# KiCad board rabbit_mask_capacitors_right.kicad_pcb (continued)
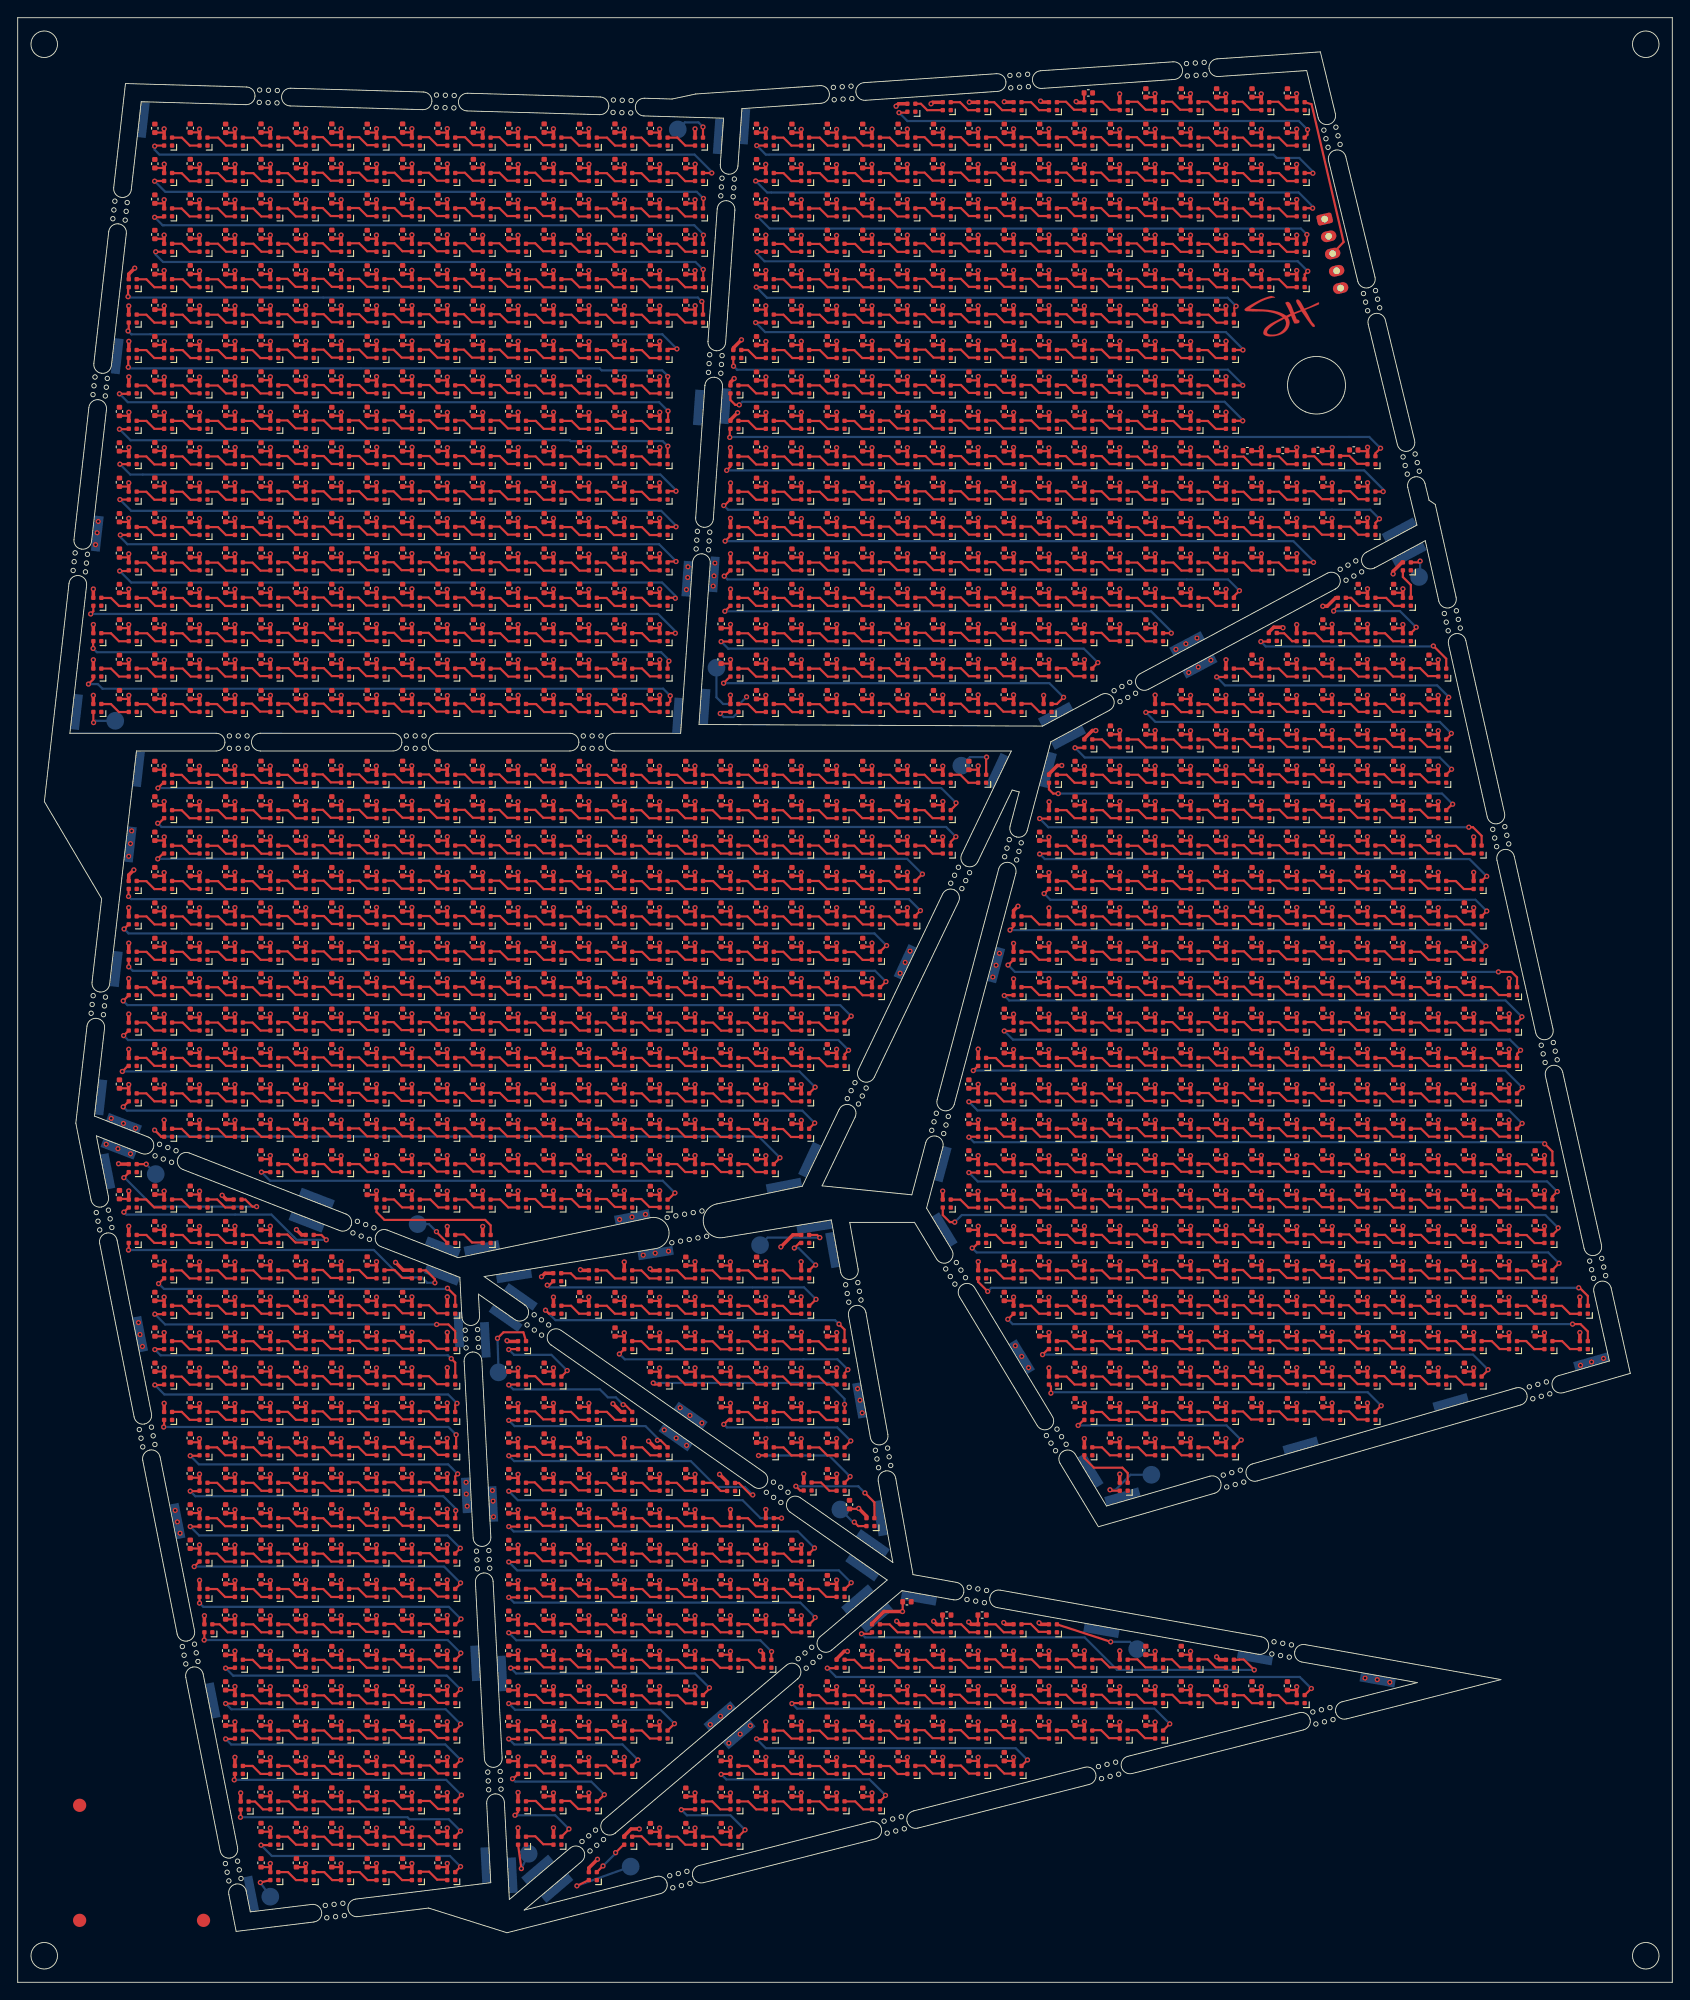
[diagram p0: board, top side]
## Routing (per net, layer and track width the routed paths; a pad name or vN(x,y) marks a point on that pad's centre or on a via; arc(x,y) is an arc through that point) (continued)
Net-(D2476-DIN): length 3.5
  Top w0.25: 29.44,92.46 30.54,92.46 31.44,91.56 32.54,91.56
Net-(D2476-DOUT): length 49.8
  Top w0.25: D2520.1 73.52,88.45 v1(74.27,89.2) ; v1(27.55,91.55) D2476.3
  Bottom w0.25: v1(27.55,91.55) 28.53,90.57 72.9,90.57 v1(74.27,89.2)
Net-(D2477-DIN): length 3.5
  Top w0.25: 33.54,92.46 34.64,92.46 35.54,91.56 36.64,91.56
Net-(D2478-DIN): length 3.5
  Top w0.25: 40.64,91.56 39.54,91.56 38.64,92.46 37.54,92.46
Net-(D2479-DIN): length 3.5
  Top w0.25: 41.44,92.46 42.54,92.46 43.44,91.56 44.54,91.56
Net-(D2480-DIN): length 3.5
  Top w0.25: 48.49,91.61 47.39,91.61 46.49,92.51 45.39,92.51
Net-(D2481-DIN): length 3.5
  Top w0.25: 52.59,91.61 51.49,91.61 50.59,92.51 49.49,92.51
Net-(D2482-DIN): length 3.5
  Top w0.25: 53.49,92.51 54.59,92.51 55.49,91.61 56.59,91.61
Net-(D2483-DIN): length 3.5
  Top w0.25: 60.49,91.61 59.39,91.61 58.49,92.51 57.39,92.51
Net-(D2484-DIN): length 3.5
  Top w0.25: 61.44,92.51 62.54,92.51 63.44,91.61 64.54,91.61
Net-(D2485-DIN): length 3.5
  Top w0.25: 65.34,92.51 66.44,92.51 67.34,91.61 68.44,91.61
Net-(D2486-DIN): length 3.5
  Top w0.25: 72.49,91.61 71.39,91.61 70.49,92.51 69.39,92.51
Net-(D2487-DIN): length 3.5
  Top w0.25: 76.54,91.56 75.44,91.56 74.54,92.46 73.44,92.46
Net-(D2488-DIN): length 3.5
  Top w0.25: 77.49,92.46 78.59,92.46 79.49,91.56 80.59,91.56
Net-(D2489-DIN): length 3.5
  Top w0.25: 84.49,91.56 83.39,91.56 82.49,92.46 81.39,92.46
Net-(D2491-DIN): length 3.5
  Top w0.25: 112.54,91.54 111.44,91.54 110.54,92.44 109.44,92.44
Net-(D2491-DOUT): length 69.6
  Top w0.25: D2491.3 108.5,91.5 v1(107.5,91.5) ; v1(174,89.35) 173.45,88.8 D2538.1
  Bottom w0.25: v1(174,89.35) 172.85,90.5 108.5,90.5 v1(107.5,91.5)
Net-(D2492-DIN): length 3.5
  Top w0.25: 113.54,92.44 114.64,92.44 115.54,91.54 116.64,91.54
Net-(D2493-DIN): length 3.5
  Top w0.25: 117.54,92.44 118.64,92.44 119.54,91.54 120.64,91.54
Net-(D2494-DIN): length 3.5
  Top w0.25: 124.54,91.54 123.44,91.54 122.54,92.44 121.44,92.44
Net-(D2495-DIN): length 3.5
  Top w0.25: 128.49,91.59 127.39,91.59 126.49,92.49 125.39,92.49
Net-(D2496-DIN): length 3.5
  Top w0.25: 129.49,92.49 130.59,92.49 131.49,91.59 132.59,91.59
Net-(D2497-DIN): length 3.5
  Top w0.25: 133.49,92.49 134.59,92.49 135.49,91.59 136.59,91.59
Net-(D2498-DIN): length 3.5
  Top w0.25: 137.39,92.49 138.49,92.49 139.39,91.59 140.49,91.59
Net-(D2499-DIN): length 3.5
  Top w0.25: 144.54,91.59 143.44,91.59 142.54,92.49 141.44,92.49
Net-(D2500-DIN): length 3.5
  Top w0.25: 148.44,91.59 147.34,91.59 146.44,92.49 145.34,92.49
Net-(D2501-DIN): length 3.5
  Top w0.25: 149.39,92.49 150.49,92.49 151.39,91.59 152.49,91.59
Net-(D2502-DIN): length 3.5
  Top w0.25: 153.44,92.44 154.54,92.44 155.44,91.54 156.54,91.54
Net-(D2503-DIN): length 3.5
  Top w0.25: 160.59,91.54 159.49,91.54 158.59,92.44 157.49,92.44
Net-(D2504-DIN): length 3.5
  Top w0.25: 161.39,92.44 162.49,92.44 163.39,91.54 164.49,91.54
Net-(D2505-DIN): length 3.5
  Top w0.25: 165.44,92.44 166.54,92.44 167.44,91.54 168.54,91.54
Net-(D2506-DIN): length 3.5
  Top w0.25: 172.54,91.55 171.44,91.55 170.54,92.45 169.44,92.45
Net-(D2508-DIN): length 3.5
  Top w0.25: 16.53,87.56 15.43,87.56 14.53,88.46 13.43,88.46
Net-(D2508-DOUT): length 26.6
  Top w0.25: v1(12,87.03) 12.53,87.55 D2508.3 ; D2544.1 34.32,84.45 v1(34.88,83.9)
  Bottom w0.25: v1(12,87.03) 12.28,86.75 28.68,86.75 31.53,83.9 v1(34.88,83.9)
Net-(D2509-DIN): length 3.5
  Top w0.25: 17.42,88.47 18.52,88.47 19.42,87.57 20.52,87.57
Net-(D2510-DIN): length 3.3
  Top w0.25: D2511.3 23.46,87.55 22.55,88.46 21.45,88.46
Net-(D2512-DIN): length 3.5
  Top w0.25: 44.54,87.56 43.44,87.56 42.54,88.46 41.44,88.46
Net-(D2512-DOUT): length 15.1
  Top w0.25: D2546.1 53.45,85.54 52.84,86.15 41.45,86.15 40.55,87.05 D2512.3
Net-(D2513-DIN): length 3.5
  Top w0.25: 48.64,87.56 47.54,87.56 46.64,88.46 45.54,88.46
Net-(D2514-DIN): length 3.5
  Top w0.25: 52.64,87.56 51.54,87.56 50.64,88.46 49.54,88.46
Net-(D2515-DIN): length 3.5
  Top w0.25: 56.54,87.56 55.44,87.56 54.54,88.46 53.44,88.46
Net-(D2516-DIN): length 3.5
  Top w0.25: 57.39,88.51 58.49,88.51 59.39,87.61 60.49,87.61
Net-(D2517-DIN): length 3.5
  Top w0.25: 61.49,88.51 62.59,88.51 63.49,87.61 64.59,87.61
Net-(D2518-DIN): length 3.5
  Top w0.25: 68.59,87.61 67.49,87.61 66.59,88.51 65.49,88.51
Net-(D2519-DIN): length 3.5
  Top w0.25: 69.39,88.51 70.49,88.51 71.39,87.61 72.49,87.61
Net-(D2521-DIN): length 3.5
  Top w0.25: 105.45,88.44 106.55,88.44 107.45,87.54 108.55,87.54
Net-(D2521-DOUT): length 72.7
  Top w0.25: D2521.3 104.55,86.7 105.35,85.9 v1(105.9,85.9) ; v1(174.1,85.25) 174.1,85.1 D2564.1
  Bottom w0.25: v1(174.1,85.25) 172.65,86.7 106.7,86.7 v1(105.9,85.9)
Net-(D2522-DIN): length 3.5
  Top w0.25: 109.55,88.44 110.65,88.44 111.55,87.54 112.65,87.54
Net-(D2523-DIN): length 3.5
  Top w0.25: 116.65,87.54 115.55,87.54 114.65,88.44 113.55,88.44
Net-(D2524-DIN): length 3.5
  Top w0.25: 117.45,88.44 118.55,88.44 119.45,87.54 120.55,87.54
Net-(D2525-DIN): length 3.5
  Top w0.25: 124.5,87.59 123.4,87.59 122.5,88.49 121.4,88.49
Net-(D2526-DIN): length 3.5
  Top w0.25: 128.6,87.59 127.5,87.59 126.6,88.49 125.5,88.49
Net-(D2527-DIN): length 3.5
  Top w0.25: 132.6,87.59 131.5,87.59 130.6,88.49 129.5,88.49
Net-(D2528-DIN): length 3.5
  Top w0.25: 136.5,87.59 135.4,87.59 134.5,88.49 133.4,88.49
Net-(D2529-DIN): length 3.5
  Top w0.25: 140.55,87.59 139.45,87.59 138.55,88.49 137.45,88.49
Net-(D2530-DIN): length 3.5
  Top w0.25: 141.35,88.49 142.45,88.49 143.35,87.59 144.45,87.59
Net-(D2531-DIN): length 3.5
  Top w0.25: 145.4,88.49 146.5,88.49 147.4,87.59 148.5,87.59
Net-(D2532-DIN): length 3.5
  Top w0.25: 152.55,87.54 151.45,87.54 150.55,88.44 149.45,88.44
Net-(D2533-DIN): length 3.5
  Top w0.25: 156.6,87.54 155.5,87.54 154.6,88.44 153.5,88.44
Net-(D2534-DIN): length 3.5
  Top w0.25: 157.4,88.44 158.5,88.44 159.4,87.54 160.5,87.54
Net-(D2535-DIN): length 3.5
  Top w0.25: 161.45,88.44 162.55,88.44 163.45,87.54 164.55,87.54
Net-(D2536-DIN): length 3.5
  Top w0.25: 165.44,88.45 166.54,88.45 167.44,87.55 168.54,87.55
Net-(D2537-DIN): length 3.5
  Top w0.25: D2538.3 171.45,87.55 170.55,88.45 D2537.1
Net-(D2539-DIN): length 3.5
  Top w0.25: 16.54,83.55 15.44,83.55 14.54,84.45 13.44,84.45
Net-(D2539-DOUT): length 39.5
  Top w0.25: D2572.1 46.15,80.45 47.15,79.45 v1(47.15,79.05) ; v1(12.53,82.75) 12.55,82.78 D2539.3
  Bottom w0.25: v1(47.15,79.05) 46.27,79.05 45.68,79.65 43.35,79.65 40.25,82.75 v1(12.53,82.75)
Net-(D2540-DIN): length 3.5
  Top w0.25: 17.54,84.45 18.64,84.45 19.54,83.55 20.64,83.55
Net-(D2541-DIN): length 3.5
  Top w0.25: 21.54,84.45 22.64,84.45 23.54,83.55 24.64,83.55
Net-(D2542-DIN): length 3.5
  Top w0.25: 25.44,84.45 26.54,84.45 27.44,83.55 28.54,83.55
Net-(D2543-DIN): length 3.5
  Top w0.25: 32.49,83.6 31.39,83.6 30.49,84.5 29.39,84.5
Net-(D2545-DIN): length 3.5
  Top w0.25: 49.34,84.5 50.44,84.5 51.34,83.6 52.44,83.6
Net-(D2547-DOUT): length 5.2
  Top w0.25: D2580.1 90.05,81.05 v1(90.18,81.05) ; v1(87.77,82.97) 88.35,83.55 D2547.3
  Bottom w0.25: v1(90.18,81.05) 88.25,82.97 v1(87.77,82.97)
Net-(D2548-DIN): length 3.5
  Top w0.25: 109.44,84.46 110.54,84.46 111.44,83.56 112.54,83.56
Net-(D2548-DOUT): length 69.1
  Top w0.25: v1(107.88,82.97) 107.98,82.97 D2548.3 ; v1(174.2,81.25) 173.45,80.5 D2597.1
  Bottom w0.25: v1(107.88,82.97) 108.38,82.47 172.98,82.47 v1(174.2,81.25)
Net-(D2549-DIN): length 3.5
  Top w0.25: 116.64,83.56 115.54,83.56 114.64,84.46 113.54,84.46
Net-(D2550-DIN): length 3.5
  Top w0.25: 120.64,83.56 119.54,83.56 118.64,84.46 117.54,84.46
Net-(D2551-DIN): length 3.5
  Top w0.25: 124.54,83.56 123.44,83.56 122.54,84.46 121.44,84.46
Net-(D2552-DIN): length 3.5
  Top w0.25: 128.49,83.61 127.39,83.61 126.49,84.51 125.39,84.51
Net-(D2553-DIN): length 3.5
  Top w0.25: 129.49,84.51 130.59,84.51 131.49,83.61 132.59,83.61
Net-(D2554-DIN): length 3.5
  Top w0.25: 136.59,83.61 135.49,83.61 134.59,84.51 133.49,84.51
Net-(D2555-DIN): length 3.5
  Top w0.25: 137.39,84.51 138.49,84.51 139.39,83.61 140.49,83.61
Net-(D2556-DIN): length 3.5
  Top w0.25: 141.44,84.51 142.54,84.51 143.44,83.61 144.54,83.61
Net-(D2557-DIN): length 3.5
  Top w0.25: 148.44,83.61 147.34,83.61 146.44,84.51 145.34,84.51
Net-(D2558-DIN): length 3.5
  Top w0.25: 149.39,84.51 150.49,84.51 151.39,83.61 152.49,83.61
Net-(D2559-DIN): length 3.5
  Top w0.25: 153.44,84.46 154.54,84.46 155.44,83.56 156.54,83.56
Net-(D2560-DIN): length 3.5
  Top w0.25: 160.59,83.56 159.49,83.56 158.59,84.46 157.49,84.46
Net-(D2561-DIN): length 3.5
  Top w0.25: 161.39,84.46 162.49,84.46 163.39,83.56 164.49,83.56
Net-(D2562-DIN): length 3.5
  Top w0.25: 168.54,83.56 167.44,83.56 166.54,84.46 165.44,84.46
Net-(D2563-DIN): length 3.5
  Top w0.25: 169.44,84.44 170.54,84.44 171.44,83.54 172.54,83.54
Net-(D2565-DIN): length 3.5
  Top w0.25: 20.54,79.54 19.44,79.54 18.54,80.44 17.44,80.44
Net-(D2565-DOUT): length 36.2
  Top w0.25: D2565.3 16.53,79.55 v1(15.93,78.95) ; v1(48.57,78.43) 48.6,78.43 49.45,77.58 D2606.1
  Bottom w0.25: v1(15.93,78.95) 16.53,78.35 48.5,78.35 v1(48.57,78.43)
Net-(D2566-DIN): length 3.5
  Top w0.25: 21.54,80.44 22.64,80.44 23.54,79.54 24.64,79.54
Net-(D2567-DIN): length 3.5
  Top w0.25: 25.54,80.44 26.64,80.44 27.54,79.54 28.64,79.54
Net-(D2568-DIN): length 3.5
  Top w0.25: 32.54,79.54 31.44,79.54 30.54,80.44 29.44,80.44
Net-(D2569-DIN): length 3.5
  Top w0.25: 33.39,80.49 34.49,80.49 35.39,79.59 36.49,79.59
Net-(D2570-DIN): length 3.5
  Top w0.25: 40.59,79.59 39.49,79.59 38.59,80.49 37.49,80.49
Net-(D2571-DIN): length 3.5
  Top w0.25: 41.49,80.49 42.59,80.49 43.49,79.59 44.59,79.59
Net-(D2573-DIN): length 3.4
  Top w0.25: 64.54,79.54 63.09,79.54 62.51,80.12 61.42,80.12
Net-(D2573-DOUT): length 33
  Top w0.25: v1(59.85,78.78) 60.07,78.78 60.52,79.22 ; v1(90.23,77.18) 89.5,76.45 D2614.1
  Bottom w0.25: v1(59.85,78.78) 60.1,78.53 88.88,78.53 v1(90.23,77.18)
Net-(D2574-DIN): length 3.5
  Top w0.25: 65.49,80.44 66.59,80.44 67.49,79.54 68.59,79.54
Net-(D2575-DIN): length 3.5
  Top w0.25: 69.39,80.44 70.49,80.44 71.39,79.54 72.49,79.54
Net-(D2576-DIN): length 3.5
  Top w0.25: 76.54,79.54 75.44,79.54 74.54,80.44 73.44,80.44
Net-(D2577-DIN): length 3.5
  Top w0.25: 80.53,79.54 79.43,79.54 78.53,80.44 77.43,80.44
Net-(D2578-DIN): length 3.5
  Top w0.25: 84.58,79.54 83.48,79.54 82.58,80.44 81.48,80.44
Net-(D2579-DIN): length 3.5
  Top w0.25: 85.38,80.44 86.48,80.44 87.38,79.54 88.48,79.54
Net-(D2581-DIN): length 3.5
  Top w0.25: 109.44,80.44 110.54,80.44 111.44,79.54 112.54,79.54
Net-(D2581-DOUT): length 71.4
  Top w0.25: D2581.3 108.55,79.15 v1(109.62,78.07) ; v1(176.43,78.47) 176.54,78.47 177.45,77.56 D2631.1
  Bottom w0.25: v1(109.62,78.07) 110.02,78.47 v1(176.43,78.47)
Net-(D2582-DIN): length 3.5
  Top w0.25: 116.64,79.54 115.54,79.54 114.64,80.44 113.54,80.44
Net-(D2583-DIN): length 3.5
  Top w0.25: 117.54,80.44 118.64,80.44 119.54,79.54 120.64,79.54
Net-(D2584-DIN): length 3.5
  Top w0.25: 124.54,79.54 123.44,79.54 122.54,80.44 121.44,80.44
Net-(D2585-DIN): length 3.5
  Top w0.25: 128.49,79.59 127.39,79.59 126.49,80.49 125.39,80.49
Net-(D2586-DIN): length 3.5
  Top w0.25: 129.49,80.49 130.59,80.49 131.49,79.59 132.59,79.59
Net-(D2587-DIN): length 3.5
  Top w0.25: 133.49,80.49 134.59,80.49 135.49,79.59 136.59,79.59
Net-(D2588-DIN): length 3.5
  Top w0.25: 137.39,80.49 138.49,80.49 139.39,79.59 140.49,79.59
Net-(D2589-DIN): length 3.5
  Top w0.25: 144.54,79.59 143.44,79.59 142.54,80.49 141.44,80.49
Net-(D2590-DIN): length 3.5
  Top w0.25: 148.44,79.59 147.34,79.59 146.44,80.49 145.34,80.49
Net-(D2591-DIN): length 3.5
  Top w0.25: 149.39,80.49 150.49,80.49 151.39,79.59 152.49,79.59
Net-(D2592-DIN): length 3.5
  Top w0.25: 153.44,80.44 154.54,80.44 155.44,79.54 156.54,79.54
Net-(D2593-DIN): length 3.5
  Top w0.25: 157.49,80.44 158.59,80.44 159.49,79.54 160.59,79.54
Net-(D2594-DIN): length 3.5
  Top w0.25: 161.39,80.44 162.49,80.44 163.39,79.54 164.49,79.54
Net-(D2595-DIN): length 3.5
  Top w0.25: 165.44,80.44 166.54,80.44 167.44,79.54 168.54,79.54
Net-(D2596-DIN): length 3.5
  Top w0.25: 169.45,80.44 170.55,80.44 171.45,79.54 172.55,79.54
Net-(D2598-DIN): length 3.5
  Top w0.25: 17.44,76.45 18.54,76.45 19.44,75.55 20.54,75.55
Net-(D2598-DOUT): length 36.9
  Top w0.25: D2640.1 49.45,73.57 48.68,74.34 v1(47.35,74.34) ; v1(15.5,75.5) 16.5,75.5 D2598.3
  Bottom w0.25: v1(47.35,74.34) 16.66,74.34 v1(15.5,75.5)
Net-(D2599-DIN): length 3.5
  Top w0.25: 21.54,76.45 22.64,76.45 23.54,75.55 24.64,75.55
Net-(D2600-DIN): length 3.5
  Top w0.25: 28.64,75.55 27.54,75.55 26.64,76.45 25.54,76.45
Net-(D2601-DIN): length 3.5
  Top w0.25: 32.54,75.55 31.44,75.55 30.54,76.45 29.44,76.45
Net-(D2602-DIN): length 3.5
  Top w0.25: 36.49,75.6 35.39,75.6 34.49,76.5 33.39,76.5
Net-(D2603-DIN): length 3.5
  Top w0.25: 37.49,76.5 38.59,76.5 39.49,75.6 40.59,75.6
Net-(D2604-DIN): length 3.5
  Top w0.25: 44.59,75.6 43.49,75.6 42.59,76.5 41.49,76.5
Net-(D2605-DIN): length 3.5
  Top w0.25: 48.49,75.6 47.39,75.6 46.49,76.5 45.39,76.5
Net-(D2607-DIN): length 3.5
  Top w0.25: 61.44,76.45 62.54,76.45 63.44,75.55 64.54,75.55
Net-(D2607-DOUT): length 37.1
  Top w0.25: v1(92.82,74.38) 93.45,73.75 D2648.1 ; D2607.3 60.05,75.55 v1(59.65,75.95)
  Bottom w0.25: v1(59.65,75.95) 60.77,74.82 92.38,74.82 v1(92.82,74.38)
Net-(D2608-DIN): length 3.5
  Top w0.25: 65.49,76.45 66.59,76.45 67.49,75.55 68.59,75.55
Net-(D2609-DIN): length 3.5
  Top w0.25: 72.49,75.55 71.39,75.55 70.49,76.45 69.39,76.45
Net-(D2610-DIN): length 3.5
  Top w0.25: 76.54,75.55 75.44,75.55 74.54,76.45 73.44,76.45
Net-(D2611-DIN): length 3.5
  Top w0.25: 80.54,75.54 79.44,75.54 78.54,76.44 77.44,76.44
Net-(D2612-DIN): length 3.5
  Top w0.25: 84.59,75.54 83.49,75.54 82.59,76.44 81.49,76.44
Net-(D2613-DIN): length 3.5
  Top w0.25: 85.39,76.44 86.49,76.44 87.39,75.54 88.49,75.54
Net-(D2615-DIN): length 3.5
  Top w0.25: 113.44,76.45 114.54,76.45 115.44,75.55 116.54,75.55
Net-(D2615-DOUT): length 68.1
  Top w0.25: D2664.1 177.45,73.55 176.63,74.38 v1(175.73,74.38) ; D2615.3 111.93,74.93 v1(111.9,74.93)
  Bottom w0.25: v1(111.9,74.93) 112.45,74.38 v1(175.73,74.38)
Net-(D2616-DIN): length 3.5
  Top w0.25: 117.54,76.45 118.64,76.45 119.54,75.55 120.64,75.55
Net-(D2617-DIN): length 3.5
  Top w0.25: 121.54,76.45 122.64,76.45 123.54,75.55 124.64,75.55
Net-(D2618-DIN): length 3.5
  Top w0.25: 128.54,75.55 127.44,75.55 126.54,76.45 125.44,76.45
Net-(D2619-DIN): length 3.5
  Top w0.25: 129.39,76.5 130.49,76.5 131.39,75.6 132.49,75.6
Net-(D2620-DIN): length 3.5
  Top w0.25: 136.59,75.6 135.49,75.6 134.59,76.5 133.49,76.5
Net-(D2621-DIN): length 3.5
  Top w0.25: 137.49,76.5 138.59,76.5 139.49,75.6 140.59,75.6
Net-(D2622-DIN): length 3.5
  Top w0.25: 144.49,75.6 143.39,75.6 142.49,76.5 141.39,76.5
Net-(D2623-DIN): length 3.5
  Top w0.25: 148.54,75.6 147.44,75.6 146.54,76.5 145.44,76.5
Net-(D2624-DIN): length 3.5
  Top w0.25: 149.34,76.5 150.44,76.5 151.34,75.6 152.44,75.6
Net-(D2625-DIN): length 3.5
  Top w0.25: 156.49,75.6 155.39,75.6 154.49,76.5 153.39,76.5
Net-(D2626-DIN): length 3.5
  Top w0.25: 160.54,75.55 159.44,75.55 158.54,76.45 157.44,76.45
Net-(D2627-DIN): length 3.5
  Top w0.25: 161.49,76.45 162.59,76.45 163.49,75.55 164.59,75.55
Net-(D2628-DIN): length 3.5
  Top w0.25: 165.39,76.45 166.49,76.45 167.39,75.55 168.49,75.55
Net-(D2629-DIN): length 3.5
  Top w0.25: 169.44,76.45 170.54,76.45 171.44,75.55 172.54,75.55
Net-(D2630-DIN): length 3.5
  Top w0.25: 176.53,75.54 175.43,75.54 174.53,76.44 173.43,76.44
Net-(D2632-DIN): length 3.5
  Top w0.25: 20.54,71.54 19.44,71.54 18.54,72.44 17.44,72.44
Net-(D2632-DOUT): length 37.2
  Top w0.25: D2673.1 49.45,70.03 v1(49,70.47) ; D2632.3 15.55,71.55 v1(15.5,71.5)
  Bottom w0.25: v1(49,70.47) 48.62,70.85 16.15,70.85 v1(15.5,71.5)
Net-(D2633-DIN): length 3.5
  Top w0.25: 21.54,72.44 22.64,72.44 23.54,71.54 24.64,71.54
Net-(D2634-DIN): length 3.5
  Top w0.25: 28.64,71.54 27.54,71.54 26.64,72.44 25.54,72.44
Net-(D2635-DIN): length 3.5
  Top w0.25: 32.54,71.54 31.44,71.54 30.54,72.44 29.44,72.44
Net-(D2636-DIN): length 3.5
  Top w0.25: 36.49,71.59 35.39,71.59 34.49,72.49 33.39,72.49
Net-(D2637-DIN): length 3.5
  Top w0.25: 37.49,72.49 38.59,72.49 39.49,71.59 40.59,71.59
Net-(D2638-DIN): length 3.5
  Top w0.25: 44.59,71.59 43.49,71.59 42.59,72.49 41.49,72.49
Net-(D2639-DIN): length 3.5
  Top w0.25: 48.49,71.59 47.39,71.59 46.49,72.49 45.39,72.49
Net-(D2641-DOUT): length 9.6
  Top w0.25: v1(55.5,71.5) 55.55,71.55 D2641.3 ; D2675.1 62.1,69.1 v1(62.1,69.12)
  Bottom w0.25: v1(62.1,69.12) 60.32,70.9 56.1,70.9 v1(55.5,71.5)
Net-(D2642-DIN): length 3.5
  Top w0.25: 72.49,71.54 71.39,71.54 70.49,72.44 69.39,72.44
Net-(D2642-DOUT): length 28.3
  Top w0.25: v1(93.82,69.22) 93.45,68.85 D2681.1 ; v1(68,71) D2642.3
  Bottom w0.25: v1(68,71) 68.6,70.4 92.65,70.4 v1(93.82,69.22)
Net-(D2643-DIN): length 3.5
  Top w0.25: 76.54,71.54 75.44,71.54 74.54,72.44 73.44,72.44
Net-(D2644-DIN): length 3.5
  Top w0.25: 80.54,71.53 79.44,71.53 78.54,72.43 77.44,72.43
Net-(D2645-DIN): length 3.5
  Top w0.25: 84.59,71.53 83.49,71.53 82.59,72.43 81.49,72.43
Net-(D2646-DIN): length 3.5
  Top w0.25: 88.49,71.53 87.39,71.53 86.49,72.43 85.39,72.43
Net-(D2647-DIN): length 3.5
  Top w0.25: 92.54,71.53 91.44,71.53 90.54,72.43 89.44,72.43
Net-(D2649-DIN): length 3.5
  Top w0.25: 120.54,71.56 119.44,71.56 118.54,72.46 117.44,72.46
Net-(D2649-DOUT): length 53.1
  Top w0.25: v1(166.18,69.22) 166.18,69.18 D2694.1 ; D2649.3 116.45,71.55 v1(115.82,70.93)
  Bottom w0.25: v1(115.82,70.93) 164.48,70.93 v1(166.18,69.22)
Net-(D2650-DIN): length 3.5
  Top w0.25: 124.64,71.56 123.54,71.56 122.64,72.46 121.54,72.46
Net-(D2651-DIN): length 3.5
  Top w0.25: 125.54,72.46 126.64,72.46 127.54,71.56 128.64,71.56
Net-(D2652-DIN): length 3.5
  Top w0.25: 129.44,72.46 130.54,72.46 131.44,71.56 132.54,71.56
Net-(D2653-DIN): length 3.5
  Top w0.25: 136.49,71.61 135.39,71.61 134.49,72.51 133.39,72.51
Net-(D2654-DIN): length 3.5
  Top w0.25: 140.59,71.61 139.49,71.61 138.59,72.51 137.49,72.51
Net-(D2655-DIN): length 3.5
  Top w0.25: 144.59,71.61 143.49,71.61 142.59,72.51 141.49,72.51
Net-(D2656-DIN): length 3.5
  Top w0.25: 148.49,71.61 147.39,71.61 146.49,72.51 145.39,72.51
Net-(D2657-DIN): length 3.5
  Top w0.25: 149.44,72.51 150.54,72.51 151.44,71.61 152.54,71.61
Net-(D2658-DIN): length 3.5
  Top w0.25: 153.34,72.51 154.44,72.51 155.34,71.61 156.44,71.61
Net-(D2659-DIN): length 3.5
  Top w0.25: 160.49,71.61 159.39,71.61 158.49,72.51 157.39,72.51
Net-(D2660-DIN): length 3.5
  Top w0.25: 161.44,72.46 162.54,72.46 163.44,71.56 164.54,71.56
Net-(D2661-DIN): length 3.5
  Top w0.25: 165.49,72.46 166.59,72.46 167.49,71.56 168.59,71.56
Net-(D2662-DIN): length 3.5
  Top w0.25: 172.49,71.56 171.39,71.56 170.49,72.46 169.39,72.46
Net-(D2663-DIN): length 3.5
  Top w0.25: 173.44,72.46 174.54,72.46 175.44,71.56 176.54,71.56
Net-(D2665-DIN): length 3.5
  Top w0.25: 20.54,67.54 19.44,67.54 18.54,68.44 17.44,68.44
Net-(D2665-DOUT): length 37.1
  Top w0.25: D2665.3 16.5,67.5 v1(15.5,67.5) ; D2703.1 49.45,65.22 v1(49.65,65.43)
  Bottom w0.25: v1(15.5,67.5) 16.57,66.43 48.65,66.43 v1(49.65,65.43)
Net-(D2666-DIN): length 3.5
  Top w0.25: 21.54,68.44 22.64,68.44 23.54,67.54 24.64,67.54
Net-(D2667-DIN): length 3.5
  Top w0.25: 25.54,68.44 26.64,68.44 27.54,67.54 28.64,67.54
Net-(D2668-DIN): length 3.5
  Top w0.25: 29.44,68.44 30.54,68.44 31.44,67.54 32.54,67.54
Net-(D2669-DIN): length 3.5
  Top w0.25: 36.49,67.59 35.39,67.59 34.49,68.49 33.39,68.49
Net-(D2670-DIN): length 3.5
  Top w0.25: 37.49,68.49 38.59,68.49 39.49,67.59 40.59,67.59
Net-(D2671-DIN): length 3.5
  Top w0.25: 44.59,67.59 43.49,67.59 42.59,68.49 41.49,68.49
Net-(D2672-DIN): length 3.5
  Top w0.25: 45.39,68.49 46.49,68.49 47.39,67.59 48.49,67.59
Net-(D2674-DIN): length 3.5
  Top w0.25: 60.49,67.59 59.39,67.59 58.49,68.49 57.39,68.49
Net-(D2674-DOUT): length 16.3
  Top w0.25: v1(68.43,65.28) 68.62,65.28 D2707.1 ; v1(55.5,67.5) 55.55,67.55 D2674.3
  Bottom w0.25: v1(68.43,65.28) 67.6,66.1 66.7,66.1 65.8,67 56,67 v1(55.5,67.5)
Net-(D2676-DIN): length 3.5
  Top w0.25: 76.54,67.54 75.44,67.54 74.54,68.44 73.44,68.44
Net-(D2676-DOUT): length 24.6
  Top w0.25: v1(93.45,65.3) D2711.1 ; v1(71.82,67.72) 72,67.55 D2676.3
  Bottom w0.25: v1(93.45,65.3) 93.45,65.93 91.65,67.72 v1(71.82,67.72)
Net-(D2677-DIN): length 3.5
  Top w0.25: 80.54,67.55 79.44,67.55 78.54,68.45 77.44,68.45
Net-(D2678-DIN): length 3.5
  Top w0.25: 81.49,68.45 82.59,68.45 83.49,67.55 84.59,67.55
Net-(D2679-DIN): length 3.5
  Top w0.25: 85.39,68.45 86.49,68.45 87.39,67.55 88.49,67.55
Net-(D2680-DIN): length 3.5
  Top w0.25: 89.44,68.45 90.54,68.45 91.44,67.55 92.54,67.55
Net-(D2682-DIN): length 3.5
  Top w0.25: 120.54,67.55 119.44,67.55 118.54,68.45 117.44,68.45
Net-(D2682-DOUT): length 40
  Top w0.25: D2682.3 116.77,67.32 v1(116.77,66.57) ; D2720.1 153.45,64.5 v1(154.1,65.15)
  Bottom w0.25: v1(116.77,66.57) 116.88,66.68 152.57,66.68 v1(154.1,65.15)
Net-(D2683-DIN): length 3.5
  Top w0.25: 124.64,67.55 123.54,67.55 122.64,68.45 121.54,68.45
Net-(D2684-DIN): length 3.5
  Top w0.25: 128.64,67.55 127.54,67.55 126.64,68.45 125.54,68.45
Net-(D2685-DIN): length 3.5
  Top w0.25: 129.44,68.45 130.54,68.45 131.44,67.55 132.54,67.55
Net-(D2686-DIN): length 3.5
  Top w0.25: 136.49,67.6 135.39,67.6 134.49,68.5 133.39,68.5
Net-(D2687-DIN): length 3.5
  Top w0.25: 140.59,67.6 139.49,67.6 138.59,68.5 137.49,68.5
Net-(D2688-DIN): length 3.5
  Top w0.25: 141.49,68.5 142.59,68.5 143.49,67.6 144.59,67.6
Net-(D2689-DIN): length 3.5
  Top w0.25: 148.49,67.6 147.39,67.6 146.49,68.5 145.39,68.5
Net-(D2690-DIN): length 3.5
  Top w0.25: 152.54,67.6 151.44,67.6 150.54,68.5 149.44,68.5
Net-(D2691-DIN): length 3.5
  Top w0.25: 153.34,68.5 154.44,68.5 155.34,67.6 156.44,67.6
Net-(D2692-DIN): length 3.5
  Top w0.25: 157.39,68.5 158.49,68.5 159.39,67.6 160.49,67.6
Net-(D2693-DIN): length 3.5
  Top w0.25: 164.54,67.55 163.44,67.55 162.54,68.45 161.44,68.45
Net-(D2695-DIN): length 3.5
  Top w0.25: 17.44,64.46 18.54,64.46 19.44,63.56 20.54,63.56
Net-(D2695-DOUT): length 35.7
  Top w0.25: D2695.3 16.55,62.8 v1(16.5,62.75) ; v1(49.55,61.88) 49.55,60.55 D2728.1
  Bottom w0.25: v1(49.55,61.88) 48.68,62.75 v1(16.5,62.75)
Net-(D2696-DIN): length 3.5
  Top w0.25: 21.54,64.46 22.64,64.46 23.54,63.56 24.64,63.56
Net-(D2697-DIN): length 3.5
  Top w0.25: 28.64,63.56 27.54,63.56 26.64,64.46 25.54,64.46
Net-(D2698-DIN): length 3.5
  Top w0.25: 29.44,64.46 30.54,64.46 31.44,63.56 32.54,63.56
Net-(D2699-DIN): length 3.5
  Top w0.25: 33.39,64.51 34.49,64.51 35.39,63.61 36.49,63.61
Net-(D2700-DIN): length 3.5
  Top w0.25: 37.49,64.51 38.59,64.51 39.49,63.61 40.59,63.61
Net-(D2701-DIN): length 3.5
  Top w0.25: 44.59,63.61 43.49,63.61 42.59,64.51 41.49,64.51
Net-(D2702-DIN): length 3.5
  Top w0.25: 48.49,63.61 47.39,63.61 46.49,64.51 45.39,64.51
Net-(D2704-DIN): length 3.5
  Top w0.25: 57.39,64.51 58.49,64.51 59.39,63.61 60.49,63.61
Net-(D2704-DOUT): length 20.4
  Top w0.25: v1(55.5,63.5) 56.5,63.5 D2704.3 ; D2733.1 72.65,61.25 v1(72.3,61.25)
  Bottom w0.25: v1(72.3,61.25) 72.3,61.5 70.95,62.85 56.15,62.85 v1(55.5,63.5)
Net-(D2705-DIN): length 3.5
  Top w0.25: 61.44,64.46 62.54,64.46 63.44,63.56 64.54,63.56
Net-(D2706-DIN): length 3.5
  Top w0.25: 68.59,63.56 67.49,63.56 66.59,64.46 65.49,64.46
Net-(D2708-DIN): length 3.5
  Top w0.25: 84.55,63.54 83.45,63.54 82.55,64.44 81.45,64.44
Net-(D2708-DOUT): length 17.1
  Top w0.25: D2708.3 80.3,63.55 v1(79.8,63.05) ; D2736.1 93.45,60.47 v1(94.15,61.18)
  Bottom w0.25: v1(94.15,61.18) 92.62,62.7 80.15,62.7 v1(79.8,63.05)
Net-(D2709-DIN): length 3.5
  Top w0.25: 85.5,64.44 86.6,64.44 87.5,63.54 88.6,63.54
Net-(D2710-DIN): length 3.5
  Top w0.25: 92.5,63.54 91.4,63.54 90.5,64.44 89.4,64.44
Net-(D2712-DIN): length 3.5
  Top w0.25: 124.54,63.55 123.44,63.55 122.54,64.45 121.44,64.45
Net-(D2712-DOUT): length 21.2
  Top w0.25: D2712.3 120.48,63.55 v1(119.85,62.93) ; v1(138.27,61.28) D2741.1
  Bottom w0.25: v1(138.27,61.28) 136.62,62.93 v1(119.85,62.93)
Net-(D2713-DIN): length 3.5
  Top w0.25: 125.54,64.45 126.64,64.45 127.54,63.55 128.64,63.55
Net-(D2714-DIN): length 3.5
  Top w0.25: 129.54,64.45 130.64,64.45 131.54,63.55 132.64,63.55
Net-(D2715-DIN): length 3.5
  Top w0.25: 133.44,64.45 134.54,64.45 135.44,63.55 136.54,63.55
Net-(D2716-DIN): length 3.5
  Top w0.25: 140.49,63.6 139.39,63.6 138.49,64.5 137.39,64.5
Net-(D2717-DIN): length 3.5
  Top w0.25: 144.59,63.6 143.49,63.6 142.59,64.5 141.49,64.5
Net-(D2718-DIN): length 3.5
  Top w0.25: 148.59,63.6 147.49,63.6 146.59,64.5 145.49,64.5
Net-(D2719-DIN): length 3.5
  Top w0.25: 152.49,63.6 151.39,63.6 150.49,64.5 149.39,64.5
Net-(D2721-DIN): length 3.5
  Top w0.25: 21.44,60.45 22.54,60.45 23.44,59.55 24.54,59.55
Net-(D2721-DOUT): length 33.3
  Top w0.25: D2749.1 49.45,57.18 v1(49.73,57.45) ; D2721.3 20.5,59.5 v1(19.5,59.5)
  Bottom w0.25: v1(19.5,59.5) 20.47,58.53 48.65,58.53 v1(49.73,57.45)